# Altium PCB Power_Board_2.PcbDoc (part 3 of 6)
Units mil, origin at the board's own origin, x right, y up, seen from the top; angles counter-clockwise.
Board outline 6295 x 3940 mil, 4 copper layers (Top Layer, Layer 1, Layer 2, Bottom Layer), stack 70.112 mil thick; 302 components, 180 nets, 927 pads, 3118 vias.
Unrouted connection lines stored in the file: 443.
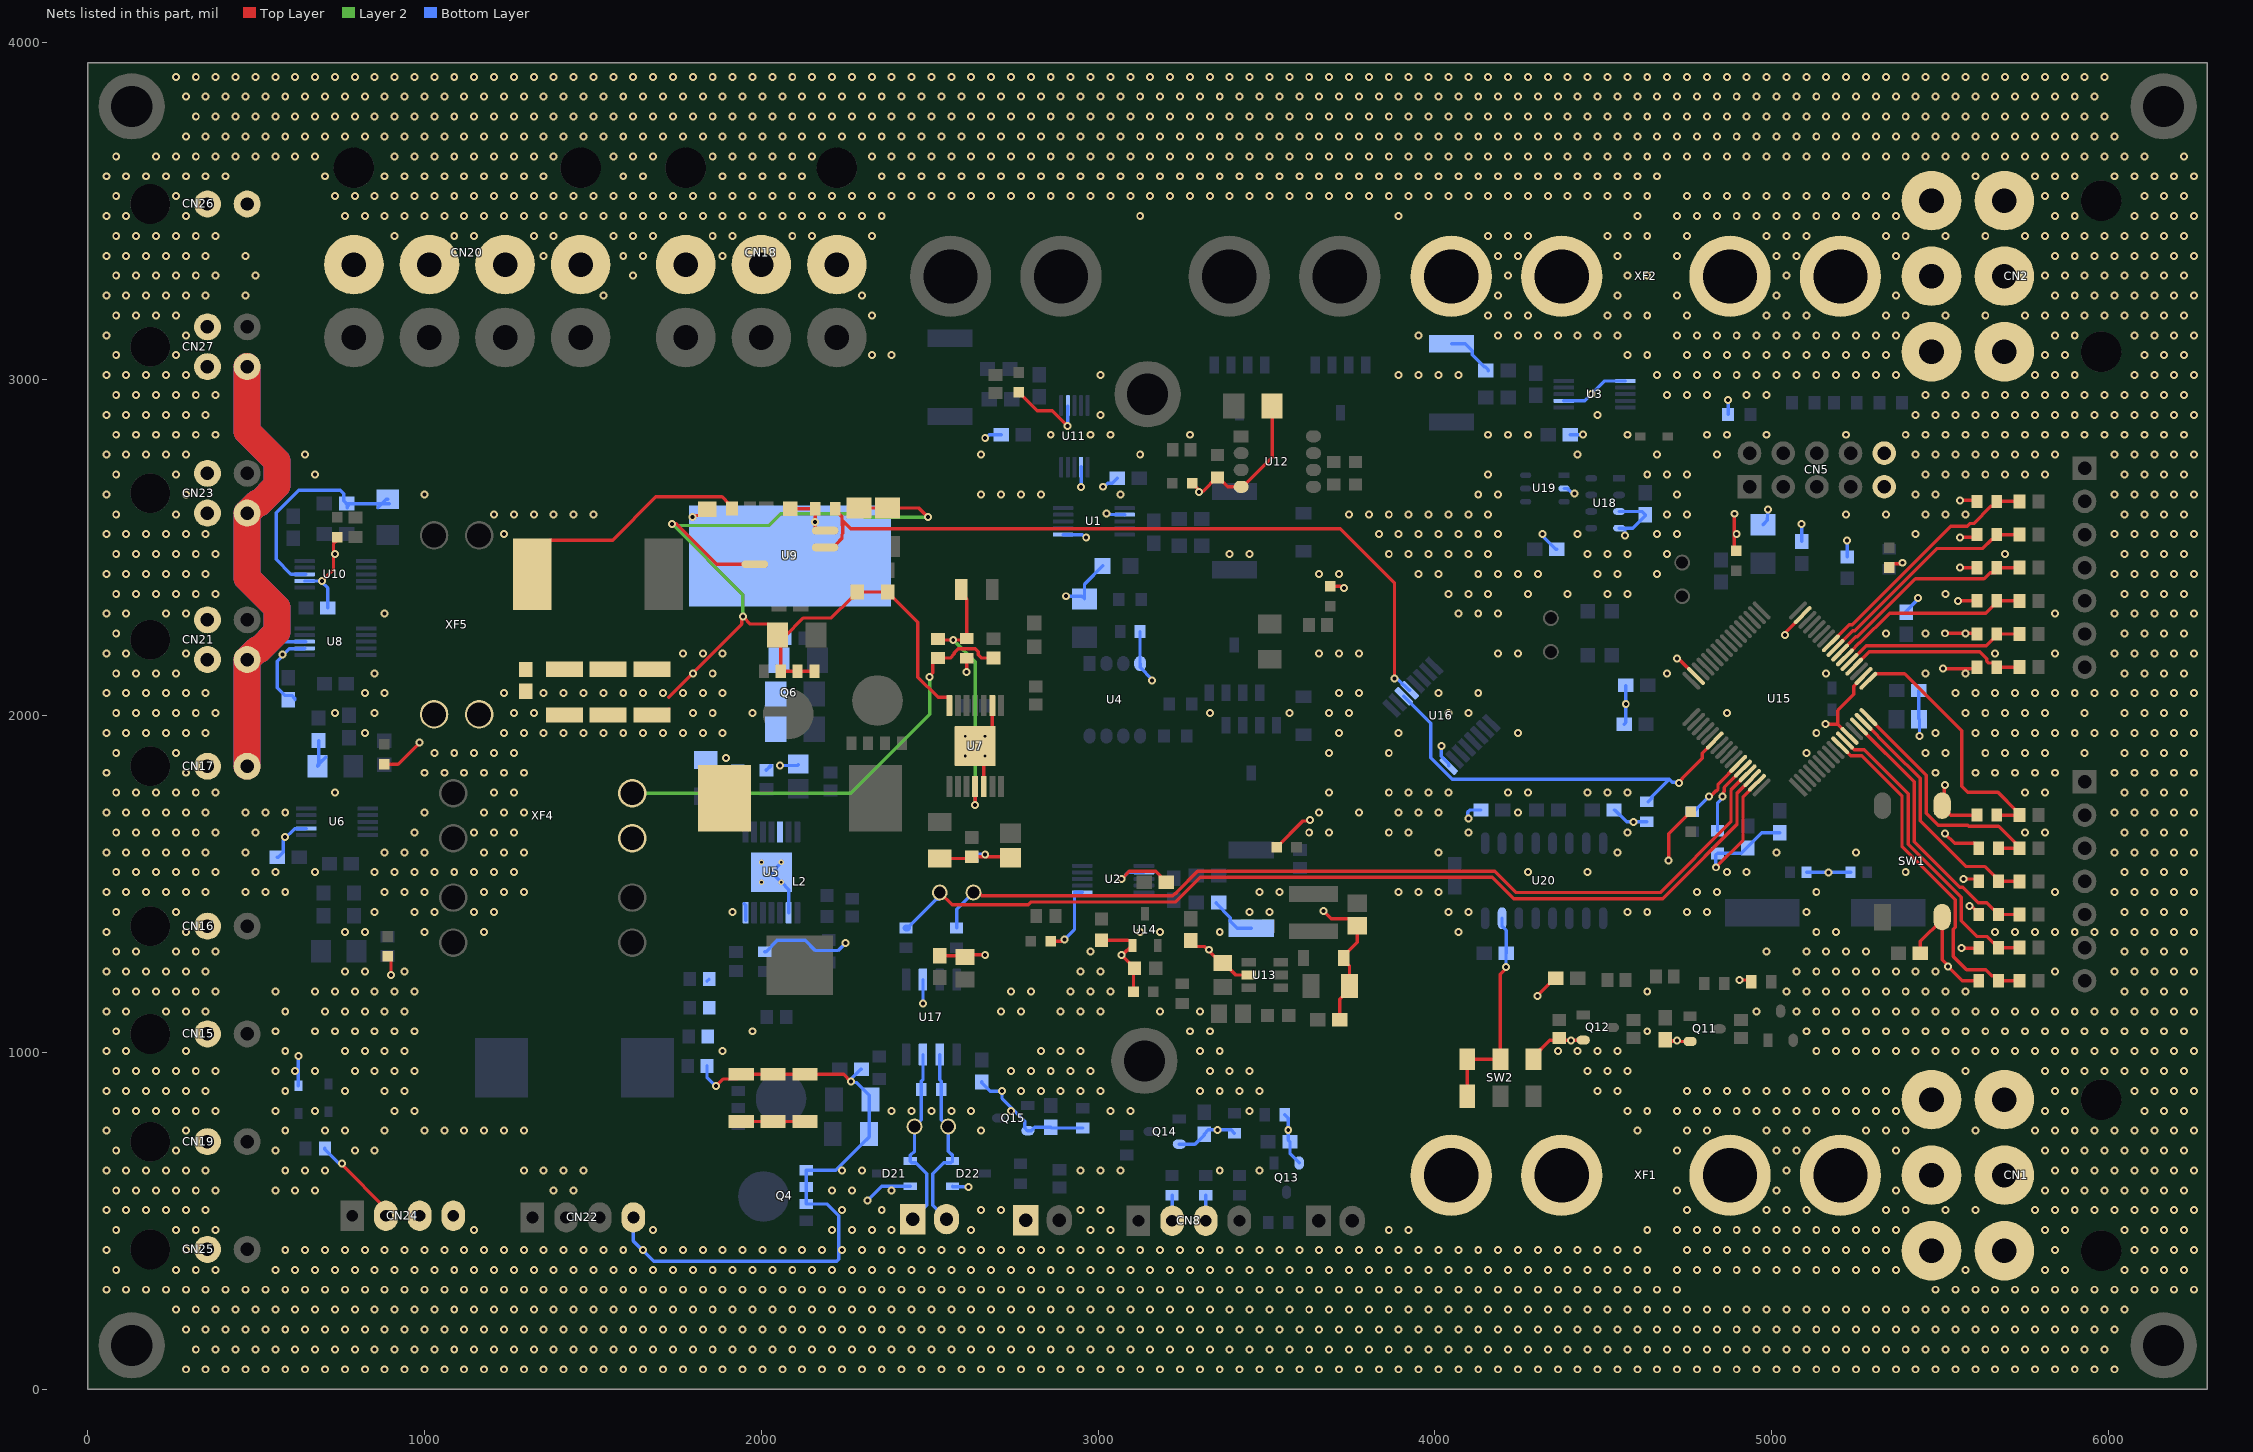
[diagram p4: the nets of this part, all layers, seen from the top]

## Via types
v1: diameter 23.62, hole 11.81, Top Layer to Bottom Layer, tented both sides, 3092 vias
v2: diameter 50, hole 12, Top Layer to Bottom Layer, tented both sides, 15 vias
v3: diameter 15.75, hole 7.87, Top Layer to Bottom Layer, tented both sides, 8 vias
v4: diameter 20, hole 12, Top Layer to Bottom Layer, tented both sides, 3 vias

## Nets (pads, with @x,y where several pads share a name; then routed paths per layer and width w, separated by ;. In a path a pad name is that pad's centre, name@x,y a point inside that pad or via, vN(x,y) a via of type N, cw(c..) or ccw(c..) an arc to the next point about the centre after c; other vN are vias at no path point) (continued)
12V_EXT: CN17.2 CN21.3 CN23.3 CN27.3 R56.1 R61.1 U8.8 | length 3014.3
  Top Layer w80: CN17.2@473,1850 CN21.3@473,2167.01 503,2197.01 509.45,2197.01 561,2248.56 561,2321.46 473,2409.46 CN23.3@473,2602.01 503,2632.01 509.45,2632.01 561,2683.56 561,2756.46 473,2844.46 CN27.3@473,3037.01
  Bottom Layer w10: CN21.3@473,2167.01 503,2197.01 525.99,2220 U8.8@647.4,2220 ; R61.1@685,1926.5 685,1853.15 R56.1@681.85,1850 ; R56.1@694.88,1866.97 681.85,1853.94 R56.1@681.85,1850 ; R56.1@706.38,1876.91 681.85,1852.39 R56.1@681.85,1850
  Bottom Layer w80: CN17.2@473,1850 CN21.3@473,2167.01 503,2197.01 509.45,2197.01 561,2248.56 561,2321.46 473,2409.46 CN23.3@473,2602.01 503,2632.01 509.45,2632.01 561,2683.56 561,2756.46 473,2844.46 CN27.3@473,3037.01
12V_EXT_RAW: C30.1 C31.1 C35.1 C36.1 L2.2 R62.1 XF4.1 XF4.2 | length 1584.3
  Top Layer w10: L2.2@1875,1770 L2.2@1890,1755 ; C31.1@1921.3,795.12 C31.1@1940,795.12 C35.1@2035,795.12 C36.1@2130,795.12 ; v1(2500,2115) 2500,2118.69 2509.33,2128.02 2509.33,2158.74 2522.05,2171.46 2560.67,2171.46 2572.8,2183.59 2572.8,2187.09 2584.93,2199.22 2635.07,2199.22 2644.7,2189.59 2644.7,2181.09 2654.33,2171.46 C30.1@2690,2171.46
  Layer 2 w10: XF4.2@1616.5,1770 2265,1770 2500,2005 v1(2500,2115)
12V_FB: C34.1 R62.2 R63.2 U7.4 | length 812.4
  Top Layer w10: R62.2@2525,2228.54 2528.54,2225 2605.47,2225 R63.2@2610,2229.53 2610,2346.93 2593.74,2363.19 C34.1@2593.74,2375 ; v1(2635,1735) U7.4@2635,1789.92
  Layer 2 w10: v1(2570,2225) 2635,2160 v1(2635,1735)
16V_Enable: R71.2 U9.3 U16.12 | length 2229.4
  Top Layer w10: U9.3@2189.35,2500 U9.3@2202.05,2500 ; U9.3@2191.3,2500 U9.3@2202.05,2500 ; R71.2@2217.56,2611.06 R71.2@2219.53,2611.06 ; R71.2@2219.53,2615 R71.2@2219.53,2611.06 ; 2239.6,2537.54 2239.6,2527.32 2223.58,2511.3 2223.58,2510.09 2213.49,2500 U9.3@2202.05,2500 ; 2241.82,2542.02 2241.82,2565.39 2239.6,2567.62 2239.6,2580.21 ; v1(3880.4,2110.19) 3880.4,2394.6 3720.09,2554.91 2264.9,2554.91 2239.6,2580.21 ; R71.2@2219.53,2611.06 2239.6,2590.99 2239.6,2580.21
  Bottom Layer w10: v1(3880.4,2110.19) 3883.01,2107.58 3892.01,2107.58 3923.73,2075.86 U16.12@3926.04,2075.86
16V_EXT: CN26.2 R67.1 R70.1 U10.8 | length 690.8
  Bottom Layer w10: U10.8@647.4,2420 646.62,2420.78 610.81,2420.78 602.94,2420.78 559.08,2464.64 559.08,2602.74 626.33,2670 750,2670 759.95,2660.05 759.95,2638.55 R70.1@768.5,2630 R67.1@895,2630 ; R70.1@767.57,2629.07 R70.1@773.63,2623.01 ; R70.1@770.62,2617.92 770.62,2620 R70.1@770.62,2622.08 ; R67.1@861.54,2617.07 861.54,2618.62 886.06,2643.15 R67.1@890,2643.15
16V_EXT_RAW: C43.2 C44.2 C48.2 C49.2 L3.2 R68.2 XF5.1 XF5.2 | length 735.7
  Top Layer w10: L3.2@1320.12,2420 1320.12,2469.21 1372.2,2521.3 1558.18,2521.3 1686.97,2650.09 1883.26,2650.09 1904.65,2628.7 1915.39,2617.95 R68.2@1915.39,2615
ADC_Bat0_1: R9.1 R19.2 U15.25 | length 737.9
  Top Layer w10: U15.25@5176.48,2215.4 5231.37,2270.29 5240.17,2270.29 5533.1,2563.22 5581.72,2563.22 5589.34,2570.84 5600.84,2570.84 5651.89,2621.89 5658.78,2621.89 5665.51,2628.62 R9.1@5665.51,2635.51 ; R9.1@5669.53,2636.57 R19.2@5740.39,2636.58
ADC_Bat0_2: R10.2 R20.2 U15.24 | length 693.7
  Top Layer w10: U15.24@5190.4,2201.48 5241.21,2252.29 5247.63,2252.29 5492.29,2496.95 5628.33,2496.95 5654.84,2523.46 5658.78,2523.46 5669.53,2534.21 R10.2@5669.53,2538.15 ; R10.2@5667.56,2538.15 R20.2@5740.39,2538.15
ADC_Bat0_3: R11.1 R21.2 U15.23 | length 632.2
  Top Layer w10: U15.23@5204.32,2187.56 5251.05,2234.29 5255.09,2234.29 5427.83,2407.04 5631.61,2407.04 5649.57,2425 R11.1@5665.29,2425 ; R11.1@5667.56,2439.72 R21.2@5740.39,2439.72
ADC_Bat0_4: R12.1 R22.1 U15.22 | length 571.9
  Top Layer w10: U15.22@5235.18,2190.58 5260.89,2216.29 5262.54,2216.29 5351.25,2305 5637.17,2305 5669.53,2337.36 R12.1@5669.53,2341.3 ; R12.1@5667.56,2341.3 R22.1@5740.39,2341.3
ADC_Bat0_5: R13.1 R23.2 U15.21 | length 547
  Top Layer w10: U15.21@5232.15,2159.72 5232.78,2159.72 5281.06,2208 5638.59,2208 5669.53,2238.94 R13.1@5669.53,2242.87 ; R13.1@5667.56,2242.87 R23.2@5740.39,2242.87
ADC_Bat0_6: R14.1 R24.2 U15.20 | length 556
  Top Layer w10: U15.20@5246.07,2145.8 5246.7,2145.8 5290.9,2190 5618.74,2190 5639.22,2169.52 5639.22,2162.5 5645.08,2156.65 5658.78,2156.65 5669.53,2145.9 R14.1@5669.53,2144.45 R24.2@5736.46,2144.45 5737.44,2144.45 R24.2@5740.39,2141.5 ; R24.2@5728.66,2132.72 5731.61,2132.72 R24.2@5740.39,2141.5 ; R24.2@5740.39,2144.45 R24.2@5740.39,2141.5
ADC_Bat1_1: R31.2 R37.2 U15.17 | length 806.1
  Top Layer w10: U15.17@5287.83,2104.04 5308.37,2124.58 5395.42,2124.58 5565,1955 5565,1790 5582.64,1772.36 5673.03,1772.36 5728.66,1716.73 5731.61,1716.73 5740.39,1707.95 5740.39,1705 R31.2@5667.56,1705
ADC_Bat1_2: R32.2 R38.2 U15.16 | length 760.8
  Top Layer w10: U15.16@5287.83,1995.96 5460,1823.79 5460,1710 5495.19,1674.81 5583.67,1674.81 5586.17,1672.31 5674.65,1672.31 R38.2@5728.66,1618.31 ; R32.2@5674.53,1606.58 R38.2@5736.46,1606.58 ; R38.2@5728.66,1618.31 5740.39,1606.58 5740.39,1609.53 5731.61,1618.31 R38.2@5728.66,1618.31
ADC_Bat1_3: R33.1 R39.2 U15.15 | length 758.2
  Top Layer w10: U15.15@5273.91,1982.04 5359.58,1896.37 5442,1813.95 5442,1688.42 5578.25,1552.17 5634.44,1552.17 5674.53,1512.09 R33.1@5674.53,1508.15 R39.2@5736.46,1508.15 5737.44,1508.15 R39.2@5740.39,1511.1 ; R39.2@5728.66,1519.88 5731.61,1519.88 R39.2@5740.39,1511.1 ; R39.2@5740.39,1508.15 R39.2@5740.39,1511.1
ADC_Bat1_4: R34.1 R40.1 U15.14 | length 812.6
  Top Layer w10: U15.14@5259.99,1968.12 5424,1804.11 5424,1626 5559.77,1490.23 5568.42,1490.23 5613.65,1445 5639.25,1445 5659.84,1424.41 5663.78,1424.41 5674.53,1413.66 R34.1@5674.53,1409.72 ; R34.1@5680.3,1409.72 R40.1@5740.39,1409.72
ADC_Bat1_5: R35.1 R41.2 U15.11 | length 914.5
  Top Layer w10: U15.11@5218.24,1926.36 5218.86,1926.36 5245.72,1899.5 5275.5,1899.5 5406,1769 5406,1618.54 5563.76,1460.79 5563.76,1391.24 5610.74,1344.26 5640.69,1344.26 5653.11,1331.84 5658.96,1325.98 5663.78,1325.98 5672.56,1317.2 R35.1@5672.56,1311.3 ; R35.1@5667.32,1311.3 R35.1@5672.56,1311.3 ; R41.2@5740.39,1311.3 R35.1@5672.56,1311.3
ADC_Bat1_6: R36.1 R42.2 U15.10 | length 1039.6
  Top Layer w10: U15.10@5204.32,1912.44 5204.94,1912.44 5235.88,1881.5 5268.04,1881.5 5388,1761.54 5388,1611.09 5545.76,1453.33 5545.76,1372.36 5540,1366.61 5540,1285 5579.44,1245.56 5636.61,1245.56 5654.61,1227.56 5663.78,1227.56 5674.53,1216.81 R36.1@5674.53,1212.87 R42.2@5736.46,1212.87 5737.44,1212.87 R42.2@5740.39,1215.83 ; R42.2@5731.61,1224.61 R42.2@5740.39,1215.83 ; R42.2@5740.39,1212.87 R42.2@5740.39,1215.83
Aux_Reed_Switch_In_2: CN8.3 R115.2 | length 75.5
  Bottom Layer w10: CN8.3@3320,500 R115.2@3320,575.47
Aux_Reed_Switch_In_3: CN8.2 R116.2 | length 75.5
  Bottom Layer w10: CN8.2@3220,500 R116.2@3220,575.47
Battery0: R6.1 R15.1 XF1.3 XF1.4 | length 143.6
  Bottom Layer w10: R15.1@3350.62,1445 3350.62,1442.92 3393.07,1400.47 3393.07,1389.45 3413.66,1368.86 R6.1@3455,1368.86
Battery0_raw: CN1.4 CN1.5 CN1.6 XF1.1 XF1.2
  other v1: 4719.84,354.33 4778.9,354.33 4837.95,354.33 4897.01,354.33 4956.06,354.33 5015.12,354.33 5074.17,354.33 5133.23,354.33 5192.28,354.33 5251.34,354.33 5310.39,354.33 5369.45,354.33 4749.37,413.39 4808.42,413.39 4867.48,413.39 4926.53,413.39 4985.59,413.39 5044.64,413.39 5103.7,413.39 5162.75,413.39 5221.81,413.39 5280.86,413.39 5339.92,413.39 4719.84,472.44 4778.9,472.44 4837.95,472.44 4897.01,472.44 4956.06,472.44 5015.12,472.44 5074.17,472.44 5133.23,472.44 5192.28,472.44 5251.34,472.44 5310.39,472.44 5369.45,472.44 4749.37,531.5 4985.59,531.5 5044.64,531.5 5103.7,531.5 5339.92,531.5 5398.97,531.5 5517.08,531.5 4719.84,590.55 5015.12,590.55 5369.45,590.55 5044.64,649.61 4719.84,708.66 5015.12,708.66 5074.17,708.66 5369.45,708.66 4749.37,767.72 4808.42,767.72 4985.59,767.72 5044.64,767.72 5103.7,767.72 5280.86,767.72 5339.92,767.72 5398.97,767.72 4719.84,826.77 4778.9,826.77 4837.95,826.77 4897.01,826.77 4956.06,826.77 5015.12,826.77 5074.17,826.77 5133.23,826.77 5192.28,826.77 5251.34,826.77 5310.39,826.77 5369.45,826.77 4749.37,885.83 4808.42,885.83 4867.48,885.83 4926.53,885.83 4985.59,885.83 5044.64,885.83 5103.7,885.83 5162.75,885.83 5221.81,885.83 5280.86,885.83 5339.92,885.83
Battery1: R8.2 R18.1 XF2.3 XF2.4 | length 150.7
  Bottom Layer w10: R8.2@4050,3105 4091.34,3105 4111.93,3084.41 4111.93,3072.45 4147.4,3036.97 4149.48,3036.97 4159.38,3027.08 R18.1@4159.38,3025
  other v1: 3952.12,3129.92 4188.34,3129.92 4247.4,3129.92 4306.45,3129.92 4365.51,3129.92 4424.57,3129.92 4483.62,3129.92 4542.68,3129.92 4158.82,3188.98 4217.87,3188.98 4276.93,3188.98 4513.15,3188.98 4572.2,3188.98 4188.34,3248.03 4542.68,3248.03 4217.87,3307.09 4572.2,3307.09 4188.34,3366.14 4247.4,3366.14 4542.68,3366.14 4158.82,3425.2 4217.87,3425.2 4276.93,3425.2 4513.15,3425.2 4572.2,3425.2
Battery1_raw: CN2.4 CN2.5 CN2.6 XF2.1 XF2.2
  other v1: 4719.84,3011.81 4778.9,3011.81 4837.95,3011.81 4897.01,3011.81 4956.06,3011.81 5015.12,3011.81 5074.17,3011.81 5133.23,3011.81 5192.28,3011.81 5251.34,3011.81 5310.39,3011.81 5369.45,3011.81 4749.37,3070.87 4808.42,3070.87 4867.48,3070.87 4926.53,3070.87 4985.59,3070.87 5044.64,3070.87 5103.7,3070.87 5162.75,3070.87 5221.81,3070.87 5280.86,3070.87 5339.92,3070.87 4719.84,3129.92 4778.9,3129.92 4837.95,3129.92 4897.01,3129.92 4956.06,3129.92 5015.12,3129.92 5074.17,3129.92 5133.23,3129.92 5192.28,3129.92 5251.34,3129.92 5310.39,3129.92 5369.45,3129.92 4749.37,3188.98 4985.59,3188.98 5044.64,3188.98 5103.7,3188.98 5339.92,3188.98 5398.97,3188.98 5517.08,3188.98 4719.84,3248.03 5015.12,3248.03 5369.45,3248.03 5044.64,3307.09 4719.84,3366.14 5015.12,3366.14 5074.17,3366.14 5369.45,3366.14 4749.37,3425.2 4985.59,3425.2 5044.64,3425.2 5103.7,3425.2 5339.92,3425.2 5398.97,3425.2 5517.08,3425.2 4719.84,3484.25 4778.9,3484.25 4837.95,3484.25 4897.01,3484.25 4956.06,3484.25 5015.12,3484.25 5074.17,3484.25 5133.23,3484.25 5192.28,3484.25 5251.34,3484.25 5310.39,3484.25 5369.45,3484.25 4749.37,3543.31 4808.42,3543.31 4867.48,3543.31 4926.53,3543.31 4985.59,3543.31 5044.64,3543.31 5103.7,3543.31 5162.75,3543.31 5221.81,3543.31 5280.86,3543.31 5339.92,3543.31
BLUE: R90.2 U15.59 | length 203.8
  Top Layer w10: v1(4815.04,1759.96) 4818.73,1759.96 4835.33,1776.55 4835.65,1776.55 4841.51,1782.41 4841.51,1796.91 U15.59@4901.36,1856.76
  Bottom Layer w10: R90.2@4765,1714.53 4768.94,1714.53 4814.37,1759.96 v1(4815.04,1759.96)
BOOT0: R97.2 U15.60 | length 215.6
  Top Layer w10: v1(4855,1760) 4857.61,1762.61 4857.61,1773.06 4859.51,1774.95 4859.51,1787.07 U15.60@4915.28,1842.85
  Bottom Layer w10: R97.2@4840,1658.46 4840,1741.31 4855,1756.31 v1(4855,1760)
CAN_N: CAN_RES.2 CN6.2 D22.2 R100.1 U17.6 | length 558.2
  Bottom Layer w10: U17.6@2530,993.78 2530,919.21 2534.53,914.68 R100.1@2534.53,890 2534.53,800.47 CAN_RES.2@2555,780 2555,706.97 2567.76,694.21 D22.2@2567.76,677.4 2562.76,672.4 2541.4,672.4 2509,640 2509,546 CN6.2@2550,505
CAN_P: CAN_RES.1 CN6.1 D21.1 R100.2 U17.7 | length 548.2
  Bottom Layer w10: CN6.1@2450,505 2491,546 2491,640 2458.6,672.4 2447.24,672.4 D21.1@2442.24,677.4 2442.24,694.21 2455,706.97 CAN_RES.1@2455,780 2475.47,800.47 R100.2@2475.47,890 2475.47,914.68 2480,919.21 U17.7@2480,993.78
CAN_RX: CAN_RT.2 R101.2 U15.61 | length 2688.8
  Top Layer w10: CAN_RT.2@2630,1475 2637.13,1467.87 2651.61,1467.87 2654.48,1465 3222.46,1465 3229.54,1472.08 3230.74,1472.08 3238.36,1479.69 3238.36,1480.89 3295.46,1538 4178.71,1538 4241.71,1475 4670.18,1475 4879.81,1684.63 4879.81,1779.54 U15.61@4929.2,1828.93
  Bottom Layer w10: R101.2@2580,1369.53 2580,1425 CAN_RT.2@2630,1475
CAN_TX: CAN_RT.1 R99.2 U15.62 | length 2839.9
  Top Layer w10: CAN_RT.1@2530,1475 2566.62,1438.38 2793.06,1438.38 2801.69,1447 3231.12,1447 3304.12,1520 4171.26,1520 4206.26,1485 4234.26,1457 4677.63,1457 4705.63,1485 4897.81,1677.18 4897.81,1769.7 U15.62@4943.12,1815.01
  Bottom Layer w10: R99.2@2433.94,1369.53 CAN_RT.1@2524.79,1460.38
  Bottom Layer w20: R99.2@2430,1369.53 R99.2@2433.94,1369.53 ; CAN_RT.1@2524.79,1460.38 2524.79,1469.79 CAN_RT.1@2530,1475
CLK: R94.1 U15.54 U16.11 | length 1247.3
  Top Layer w10: v1(4725,1800) 4725,1803.69 4734.73,1813.42 4734.73,1814.19 4794.51,1873.97 4794.51,1889.11 U15.54@4831.76,1926.36
  Bottom Layer w10: U16.11@3907.95,2057.77 3987.72,1978 3987.72,1874.7 4051.39,1811.03 4696.5,1811.03 ; R94.1@4633.94,1744.53 4644.69,1755.28 4644.69,1759.21 4696.5,1811.03 ; v1(4725,1800) 4722.39,1802.61 4704.93,1802.61 4696.5,1811.03
EXT_Pressure_Raw: CN24.2 R104.2 | length 280.7
  Top Layer w10: v1(755,670) 755,666.31 885,536.31 CN24.2@885,515
  Bottom Layer w10: R104.2@703.54,715 703.54,712.05 742.98,672.61 752.39,672.61 v1(755,670)
GND: C1.2 C3.2 C6.2 C7.2 C8.1 C9.2 C10.2 C12.1 C13.2 C14.2 C17.2 C19.2 C20.2 C21.1 C22.2 C23.1 C24.2 C25.2 C26.2 C27.2 C29.1 C31.2 C33.2 C35.2 C36.2 C37.1 C38.2 C40.2 C41.1 C43.1 C44.1 C45.1 C46.2 C47.1 C48.1 C49.1 C50.2 C52.2 C53.2 C55.1 C56.1 C57.1 C59.1 C60.2 C61.1 C62.1 C63.1 C64.2 C65.1 C66.2 C67.2 C68.2 C69.2 C70.2 C71.2 C72.1 C73.2 C74.2 C75.2 C77.2 C79.2 C80.1 C81.2 C82.2 C83.2 C84.2 C85.2 C86.2 C87.2 C88.2 C89.2 CN1.1 CN1.2 CN1.3 CN2.1 CN2.2 CN2.3 CN5.5 CN5.10 CN7.1 CN15.1 CN16.1 CN17.1 CN18.1 CN18.2 CN18.3 CN19.1 CN20.1 CN20.2 CN20.3 CN20.4 CN21.1 CN21.2 CN22.4 CN23.1 CN23.2 CN24.3 CN24.4 CN25.1 CN26.1 CN27.1 CN27.2 D1.1 D2.1 D3.1 D4.1 D5.1 D6.1 D7.1 D8.A D11.1 D12.1 D13.1 D14.1 D15.1 D16.1 D19.A D21.2 D22.1 pad.3 Q4.1 Q4.2 Q4.3 Q6.1 Q6.2 Q6.3 Q11.2 Q12.2 Q13.2 Q14.2 Q15.2 R9.2 R10.1 R11.2 R12.2 R13.2 R14.2 R30.1 R31.1 R32.1 R33.2 R34.2 R35.2 R36.2 R44.1 R52.1 R55.1 R63.1 R71.1 R72.1 R80.2 R83.1 R87.2 R94.2 R97.1 R112.1 R113.2 R117.1 R118.1 R119.2 SW1.3 SW1.4 SW2.1 SW2.2 SW2.3 SW2.6 U1.1 U1.7 U2.1 U2.7 U3.1 U3.7 U4.4 U5.5 U5.9 U5.14 U5.15 U6.7 U7.5 U7.9 U7.14 U7.15 U8.7 U9.4 U9.7 U10.7 U11.2 U11.7 U12.4 U13.2 U14.1 U15.12 U15.18 U15.31 U15.47 U15.63 U16.8 U17.2 U18.3 U18.4 U19.2 U20.15 | length 16630.2
  Top Layer w10: v1(695,2400) 729.25,2434.25 729.25,2510.2 D6.1@740,2520.94 ; D5.1@880,1855.94 920.94,1855.94 v1(985,1920) ; D4.1@890,1285.47 900,1275.47 v1(900,1230) ; C49.1@1300,2069.57 C49.1@1300,2072.44 ; C43.1@1675,2002.09 1707.52,2002.09 C43.1@1725.24,2019.81 ; 1725.24,2055.33 1942.39,2272.48 1942.39,2292.39 v1(1945,2295) ; v1(1735,2570) 1746.97,2570 1866.97,2450 U9.7@1980.65,2450 ; v1(1795,2590) 1799.84,2594.84 1821.38,2594.84 C45.1@1840,2613.46 ; v1(1865,900) 1886.06,921.06 1926.18,921.06 C31.2@1940,934.88 C35.2@2035,934.88 2244.57,934.88 v1(2266.01,913.45) ; v1@1948.1,2291.9 1967.6,2272.4 2021.42,2272.4 2047.91,2245.91 C27.2@2047.91,2240 ; C27.2@2052.91,2235 2057.76,2230.15 Q6.3@2057.76,2132.14 Q6.2@2107.76,2132.14 Q6.1@2157.76,2132.14 ; C27.2@2057.76,2235 2069.8,2235 2125.21,2290.4 2207.96,2290.4 2267.2,2349.64 2270.08,2349.64 2285,2364.57 C41.1@2285,2367.44 C47.1@2375,2367.44 2375,2364.57 2389.92,2349.64 2392.8,2349.64 2465,2277.44 2465,2114.91 2525.29,2054.63 2554.37,2054.63 2558.23,2050.77 U7.14@2558.23,2030.08 ; R72.1@2085.43,2615 R71.1@2160.47,2615 2160.47,2556.19 2166.66,2550 U9.4@2189.35,2550 ; C46.2@2290,2617.09 2467.91,2617.09 v1(2495,2590) ; C74.2@2530,1287.56 2600.91,1287.56 C73.2@2605,1283.46 ; C37.1@2530,1575.87 2619.41,1575.87 C29.1@2625,1581.46 v1@2665,1581.46 ; C73.2@2600.91,1290 v1(2665,1290) ; v1(2610,2130) R63.1@2610,2170.47 ; U7.5@2660.59,1789.92 2660.59,1884.41 U7.15@2635,1910 v3(2664.53,1939.53) 2686.18,1961.18 U7.9@2686.18,2030.08 ; v1(2665,1588.27) v1@2665,1581.46 ; C33.2@2740,1578.55 2737.1,1581.46 v1@2665,1581.46 ; D7.1@2765,2960.47 2819.31,2906.17 2863.83,2906.17 v1(2910,2860) ; D11.1@2859.76,1330.24 2891.55,1330.24 2896.31,1335 v1(2900,1335) ; C56.1@3010,1333.5 3088.2,1333.5 3089.26,1332.44 3095.79,1332.44 3102.6,1325.63 3102.6,1319.88 3072.72,1290 v1(3070,1290) 3070,1288.5 C57.1@3108.5,1250 3105.47,1246.97 D12.1@3105.47,1180 ; v1(3070,1515) 3092.92,1537.92 3172.04,1537.92 3184.76,1525.21 3184.76,1519.92 3199.68,1505 C3.2@3202.09,1505 ; C89.2@3275,1332.44 3275,1329.57 3289.92,1314.64 3316.85,1314.64 3366.06,1265.43 R83.1@3370,1265.43 3373.94,1265.43 3409.37,1230 U13.2@3447.76,1230 ; D2.1@3279.53,2690 3297.39,2672.13 3297.39,2667.61 v1(3300,2665) 3301.88,2666.88 3311.84,2666.88 3353.03,2708.07 3356.97,2708.07 3385.04,2680 U12.4@3425,2680 3429.53,2680 3517.09,2767.56 C52.2@3517.09,2920 ; D1.1@3530.47,1610 3607.87,1687.39 3627.39,1687.39 v1(3629.96,1689.96) ; v1(3670,1420) 3670,1419.24 3692.11,1397.13 3749.41,1397.13 C59.1@3770,1376.54 3770,1326.85 3730.04,1286.89 D8.A@3730.04,1280 3730.04,1273.11 3747.09,1256.06 C55.1@3747.09,1197.36 3747.09,1187.52 3717.56,1157.99 C88.2@3717.56,1097.36 ; D13.1@3690,2384.53 3721.79,2384.53 3726.31,2380 v1(3730,2380) ; SW2.6@4096.57,869.88 SW2.3@4096.57,980.12 SW2.2@4195,980.12 4195,1232.77 4211.77,1249.54 v1(4211.77,1253.23) ; SW2.1@4293.43,980.12 4293.43,987.99 4342.17,1036.73 v1@4406.2,1036.73 ; v1@4305,1165 v1(4305,1167.99) 4357.01,1220 C84.2@4359.88,1220 ; v1(4405,1035) 4405.87,1035.87 4440.2,1035.87 Q12.2@4441.06,1036.73 ; v1(4695,1570) 4695,1649.53 D15.1@4760,1714.53 ; v1(4720,1035) 4687.44,1035 C83.2@4685,1037.44 4689.84,1032.6 Q11.2@4758.39,1032.6 ; v1(4720,2170) 4724.05,2170 U15.47@4776.09,2117.96 ; v1(4835,1550) 4915.81,1630.81 4915.81,1759.86 U15.63@4957.04,1801.09 ; v1(4890,2600) 4890,2494.53 D16.1@4895,2489.53 ; v1(4905,1215) 4935.47,1215 R113.2@4940.47,1210 ; v1(5039.96,2240.04) 5042.56,2242.65 5042.56,2248.51 U15.31@5092.96,2298.91 ; v1(5160,1975) 5196.81,1975 ; U15.12@5232.15,1940.28 5231.53,1940.28 5196.81,1975 ; U15.18@5273.91,2117.96 5273.91,2117.34 5244.81,2088.24 5244.81,2063.75 5196.81,2015.75 5196.81,1975 ; D14.1@5350,2440.47 5360.75,2451.22 5382.33,2451.22 5385.55,2454.44 v1(5389.23,2454.44) ; C60.2@5442.56,1295 5442.56,1329.92 SW1.3@5507.17,1394.53 ; SW1.3@5507.17,1402.13 SW1.3@5507.17,1394.53 ; SW1.4@5507.17,1732.83 SW1.4@5512.9,1727.1 ; v1(5510,2140) 5606.02,2140 R14.2@5610.47,2144.45 ; v1(5515,2245) 5608.35,2245 R13.2@5610.47,2242.87 ; v1(5515.5,1650) 5544.2,1621.26 5604.72,1621.26 5615.47,1610.51 R32.1@5615.47,1606.58 ; v1(5515.5,1795) 5512.9,1792.39 SW1.4@5512.9,1727.1 ; SW1.4@5523.93,1713.43 5532.36,1705 R31.1@5610.47,1705 ; v1@5550,2345 v1(5553.7,2341.3) R12.2@5610.47,2341.3 ; v1(5560,2440) 5610.2,2440 R11.2@5610.47,2439.72 ; v1(5560,2530) 5602.32,2530 R10.1@5610.47,2538.15 ; v1(5560,2640) 5607.05,2640 R9.2@5610.47,2636.57 ; v1(5565,1310) 5614.17,1310 R35.2@5615.47,1311.3 ; v1(5570.04,1515.04) 5608.58,1515.04 R33.2@5615.47,1508.15 ; v1(5588.57,1435) 5591.17,1432.39 5596.74,1432.39 5615.47,1413.66 R34.2@5615.47,1409.72 ; R36.2@5615.47,1212.87 5567.13,1212.87 v1(5525,1255) 5525,1257.25 5507.17,1275.08 SW1.3@5507.17,1394.53 ; SW1.4@5512.9,1727.1 5512.9,1724.47 5520,1717.36 5520,1720 SW1.4@5512.9,1727.1
  Layer 2 w10: v1(1945,2295) 1945,2360 v1(1735,2570) 1738.69,2570 1743.5,2565.19 2022.86,2565.19 2057.48,2599.81 2295.61,2599.81 2305.42,2590 v1(2495,2590)
  Bottom Layer w10: C22.2@562.44,1580 565.32,1580 580.24,1594.92 580.24,1631.07 613.71,1664.54 647.68,1664.54 U6.7@648.46,1665.32 ; v1@575,2185 583.85,2185 598.38,2199.54 642.68,2199.54 U8.7@643.46,2200.32 ; v1(578.51,2181.49) 578.51,2177.8 562.08,2161.36 562.08,2083.24 585,2060.32 605,2060.32 615,2050.32 615,2047.44 ; D19.A@625,901.34 v1(625,990) ; U10.7@643.46,2400.32 643.62,2400.16 694.84,2400.16 v1(695,2400) 695,2397.2 712.56,2379.64 C50.2@712.56,2320 ; CN22.4@1620,510 1620,440 1680,380 2224.14,380 2230,385.86 2230,515 2195,550 Q4.3@2133.37,550 Q4.2@2133.37,600 Q4.1@2133.37,650 2221.46,650 2298.78,727.33 2320.36,748.9 2320.36,872.63 2282.15,910.84 2269.16,910.84 2265,915 2268.61,918.61 2268.61,923.93 2294.68,950 C8.1@2297.56,950 ; C20.2@1838.54,960 1838.54,926.46 v1(1865,900) ; C13.2@1838.54,1211.54 C13.2@1844.77,1217.76 ; v1@1891.31,1875 v1(1895,1875) 1897.61,1872.39 v1@1897.61,1867.98 ; U5.14@1949.37,1441.42 1953.23,1437.56 U5.14@1953.23,1392.28 ; R52.1@2010,1299.53 2013.94,1299.53 2047.77,1333.36 2130.31,1333.36 2160.92,1302.75 2227.75,1302.75 v1(2250,1325) ; C12.1@2014.02,1839.53 C12.1@2015,1838.54 C12.1@2028.7,1852.24 ; U5.15@2055.59,1560.59 U5.15@2030,1535 v3(2059.53,1505.47) ; v1@2059.62,1856.45 v1(2055.42,1852.24) 2107.24,1852.24 C17.2@2110,1855 ; U5.15@2060,1505 2081.18,1483.82 U5.9@2081.18,1414.92 ; C23.1@2064.57,2230 C23.1@2067.44,2230 ; v1(2266.01,913.45) v1@2266.28,913.72 ; v1(2315,560) 2357.6,602.6 D21.2@2442.24,602.6 ; v1(2480,1145) U17.2@2480,1216.22 ; D22.1@2567.76,602.6 2569.06,601.3 2613.7,601.3 v1(2615,600) ; R55.1@2625,1580.47 2632.8,1588.27 v1(2665,1588.27) ; C75.2@2655,912.44 2655,909.57 2679.57,885 v1(2715,885) 2715,863.06 2782.35,795.71 2782.35,775.71 2790.46,767.6 2802.27,767.6 2812.11,777.44 C87.2@2860,777.44 2861.97,775.47 R119.2@2955,775.47 ; v1(2665,2825) 2667.15,2825 2677.15,2835 C53.2@2712.44,2835 ; U1.1@2896.06,2538.03 2953.47,2538.03 2961.41,2530.1 v1(2965,2530.1) ; v1(2900,1335) 2930,1365 2930,1474.72 2930.91,1475.63 U2.1@2953.46,1475.63 ; v1(2905,2355) 2952.09,2355 C7.2@2960,2347.09 2960,2391.34 D3.1@3013.66,2445 ; v1(2910,2860) 2910.16,2860.16 U11.7@2910.16,2919.71 ; v1(2950,2680) 2949.84,2680.16 2949.84,2739.1 U11.2@2950,2739.26 ; v1(3015,2680.19) 3018.69,2680.19 3028.57,2690.08 3042.52,2690.08 C1.2@3057.44,2705 ; v1(3025,2600.19) 3027.32,2597.86 3078.36,2597.86 U1.7@3079.14,2597.09 ; v1(3070,1515) 3089.75,1534.75 U2.7@3136.54,1534.68 U2.7@3136.54,1534.68 ; U4.4@3124.53,2150.47 R30.1@3124.53,2250 ; U4.4@3125,2155 3125,2143.69 3160,2108.69 v1(3160,2105) ; Q14.2@3241.61,727.6 3288.03,727.6 3315,754.57 C86.2@3315,757.44 3327.56,770 v1(3355,770) 3395.47,770 R118.1@3405,760.47 ; R117.1@3554.53,815 3565,804.53 v1(3565,770) 3565,740 C85.2@3570,735 3570,700.08 3589.2,680.88 3589.29,680.88 3597.4,672.77 Q13.2@3597.4,671.61 ; v1(4020,1910) 4018.94,1908.94 4018.94,1879.67 4041.57,1857.04 U16.8@4041.57,1851.76 ; v1(4100.27,1694.73) 4098.04,1696.96 4098.04,1714.14 4103.9,1720 C77.2@4137.44,1720 ; U20.15@4200,1398.78 4200,1374.88 4212.56,1362.32 C80.1@4212.56,1295 4211.77,1294.21 v1(4211.77,1253.23) ; v1(4320,2540) 4322.61,2537.39 4322.61,2532.08 4359.68,2495 C82.2@4362.56,2495 ; U3.7@4383.46,2935.32 4445.86,2935.32 4504.92,2994.37 U3.1@4566.54,2994.37 ; U19.2@4384.17,2675 4394.14,2675 4406.57,2662.56 4412.44,2662.56 v1(4415.04,2659.96) ; C6.2@4402.56,2835 v1(4440,2835) ; C79.2@4532.56,1720 4535.43,1720 4569.96,1685.47 R94.2@4630,1685.47 ; U18.4@4547.6,2557.36 U18.4@4565.17,2557.36 ; U18.3@4547.6,2606.57 4615.87,2606.57 C81.2@4625,2597.44 4625,2594.57 4587.8,2557.36 U18.4@4565.17,2557.36 ; C69.2@4562.44,1975 4567.44,1980 v1(4567.44,2035) C71.2@4567.44,2090 ; v1(4565.17,2534.74) U18.4@4565.17,2557.36 ; v1(4835,1550) 4835,1586.54 R97.1@4840,1591.54 4910.08,1591.54 4970.99,1652.44 C66.2@5025,1652.44 ; v1@4870,2940 v1(4871.54,2938.46) R87.2@4871.54,2895 ; C72.1@4975,2567.09 4988.05,2580.14 v1(4990,2611.95) ; C70.2@5090,2517.56 v1(5090,2570) ; C62.1@5104.61,1535 v1(5170,1535) C61.1@5235.39,1535 ; C63.1@5225,2471.5 v1(5225,2520) ; C68.2@5400,2307.56 5400,2310.43 5432.39,2342.83 5432.39,2347.39 v1(5435,2350) ; C64.2@5437.56,2075 5437.56,1990.91 C65.1@5438.46,1990 5440,1988.46 v1(5440,1940)